# Altium PCB fMAX_MB.PcbDoc (part 8 of 13)
Units mil, origin at the board's own origin, x right, y up, seen from the top; angles counter-clockwise.
Board outline 9175 x 6300 mil, 14 copper layers (TopLayer, Gnd1, MidLayer1, Power1, MidLayer4, Power2, MidLayer2, Power3, MidLayer3, Gnd3, MidLayer6, Gnd2, MidLayer5, BottomLayer); 679 components, 896 nets, 4133 pads, 2341 vias.
Unrouted connection lines stored in the file: 4.
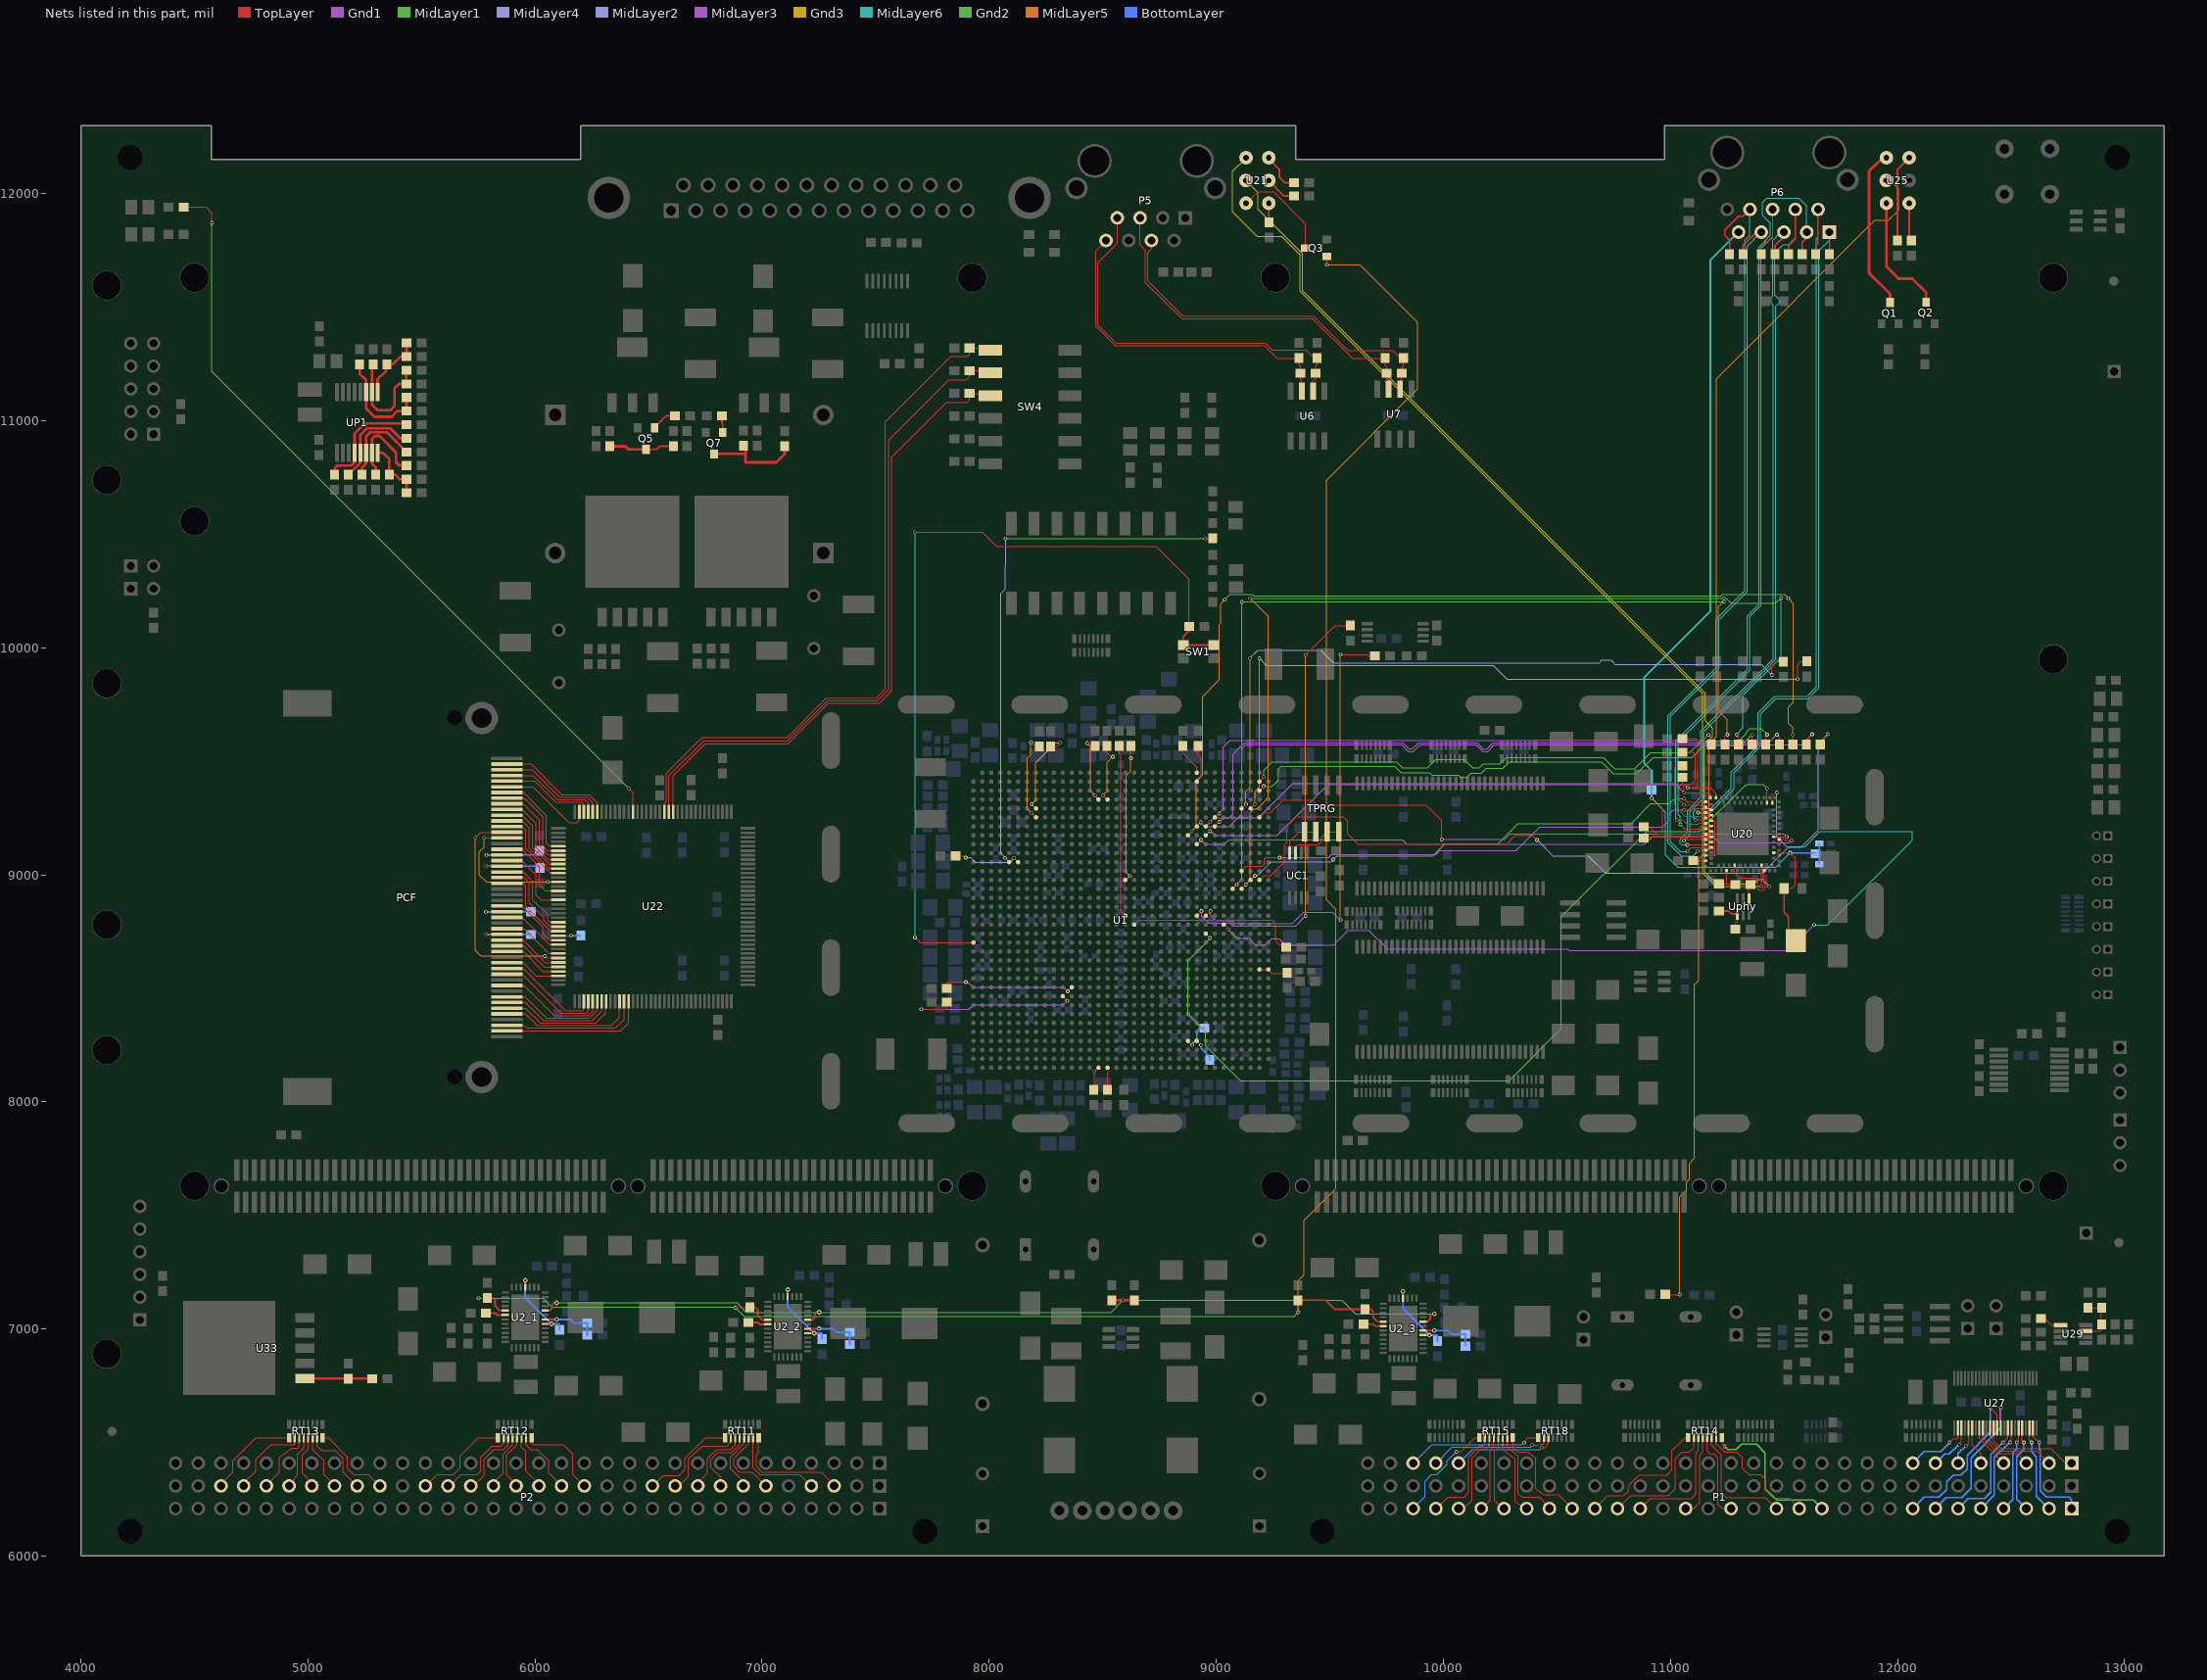
[diagram p20: the nets of this part, all layers, seen from the top]

## Via types
v1: diameter 16, hole 10, TopLayer to BottomLayer, tented both sides, 2192 vias
v2: diameter 36, hole 20, TopLayer to BottomLayer, tented both sides, 84 vias
v3: diameter 20, hole 10, TopLayer to BottomLayer, tented both sides, 61 vias
v4: diameter 160, hole 125, TopLayer to BottomLayer, tented both sides, 4 vias

## Nets (pads, with @x,y where several pads share a name; then routed paths per layer and width w, separated by ;. In a path a pad name is that pad's centre, name@x,y a point inside that pad or via, vN(x,y) a via of type N, cw(c..) or ccw(c..) an arc to the next point about the centre after c; other vN are vias at no path point) (continued)
NetP1_C28: P1.C28 RT18.11 | length 456.6
  TopLayer w5: v1(10433,6477.27) 10447,6477.27 10462.57,6496.84 RT18.11@10462.57,6521.21
  BottomLayer w5: P1.C28@10068,6409.27 10128,6469.27 10425,6469.27 v1(10433,6477.27)
NetP1_C29: P1.C29 RT18.10 | length 534.6
  TopLayer w5: v1(10392,6488.27) 10416,6488.27 10425.26,6493.53 10439.26,6493.53 10442.89,6497.16 RT18.10@10442.89,6521.21
  BottomLayer w5: P1.C29@9968,6409.27 10039,6480.27 10384,6480.27 v1(10392,6488.27)
NetP1_C30: P1.C30 RT18.9 | length 614.8
  TopLayer w5: v1(10356,6499.27) 10371,6521.27 RT18.9@10418.28,6521.21
  BottomLayer w5: P1.C30@9868,6409.27 9949,6490.27 10347,6490.27 v1@10355,6498.27
  BottomLayer w6: P1.C30@9868,6409.27 P1.C30@9885,6409.27
NetP2_B3: P2.B3 RT11.16 | length 510
  TopLayer w5: RT11.16@6984.92,6520.94 6984.92,6454.92 6975,6445 6975,6395 7000,6370 7260,6370 7317,6313 P2.B3@7317,6309
NetP2_B4: P2.B4 RT11.15 | length 431.4
  TopLayer w5: RT11.15@6960.32,6520.94 6960.32,6389.68 6991,6359 7166,6359 P2.B4@7216,6309 ; P2.B4@7206,6309 P2.B4@7217,6309
NetP2_B6: P2.B6 RT11.14 | length 339.8
  TopLayer w5: RT11.14@6940.63,6520.94 6940,6520.31 6940,6495 6875,6430 6875,6395 6900,6370 6955,6370 7016,6309 P2.B6@7017,6309 P2.B6@7017,6318
NetP2_B7: P2.B7 RT11.13 | length 260.8
  TopLayer w5: P2.B7@6917,6309 6917,6328 6860,6385 6860,6435 6920.94,6495.94 RT11.13@6920.94,6520.94
NetP2_B8: P2.B8 RT11.12 | length 316.5
  TopLayer w5: P2.B8@6817,6309 6817,6348 6775,6390 6775,6425 6805,6455 6864.44,6455 6901.26,6491.82 RT11.12@6901.26,6520.94
NetP2_B9: P2.B9 RT11.11 | length 313
  TopLayer w5: P2.B9@6720,6310 6720,6325 6760,6365 6760,6430 6800,6470 6860,6470 6881.57,6491.57 RT11.11@6881.57,6520.94
NetP2_B10: P2.B10 RT11.10 | length 387.8
  TopLayer w5: P2.B10@6617,6309 6634,6309 6675,6350 6675,6425 6735,6485 6845,6485 6861.89,6501.89 RT11.10@6861.89,6520.94
NetP2_B11: P2.B11 RT11.9 | length 437.4
  TopLayer w5: P2.B11@6517,6309 6519,6309 6565,6355 6635,6355 6660,6380 6660,6430 6750.94,6520.94 RT11.9@6837.28,6520.94
NetP2_B14: P2.B14 RT12.16 | length 397.7
  TopLayer w5: RT12.16@5984.92,6519.92 5984.92,6495.08 5990,6490 6126,6490 6166,6450 6166,6360 P2.B14@6217,6309 P2.B14@6206,6309
NetP2_B15: P2.B15 RT12.15 | length 295
  TopLayer w5: RT12.15@5960.32,6520.94 5960.32,6489.68 5980,6470 6010,6470 6060,6420 6060,6365 6116,6309 P2.B15@6117,6309
NetP2_B16: P2.B16 RT12.14 | length 242
  TopLayer w5: RT12.14@5940.63,6519.37 5940.63,6479.37 5960,6460 5960,6375 6017,6318 P2.B16@6017,6309
NetP2_B17: P2.B17 RT12.13 | length 248.4
  TopLayer w5: P2.B17@5917,6309 5917,6318 5875,6360 5875,6445 5920.94,6490.94 RT12.13@5920.94,6520.94
NetP2_B18: P2.B18 RT12.12 | length 246.8
  TopLayer w5: P2.B18@5817,6309 5817,6322 5860,6365 5860,6450 5901.26,6491.26 RT12.12@5901.26,6520.94
NetP2_B19: P2.B19 RT12.11 | length 310.6
  TopLayer w5: P2.B19@5717,6309 5729,6309 5775,6355 5775,6425 5820,6470 5860,6470 5881.57,6491.57 RT12.11@5881.57,6520.94
NetP2_B20: P2.B20 RT12.10 | length 381.9
  TopLayer w5: P2.B20@5617,6309 5624,6309 5675,6360 5745,6360 5760,6375 5760,6435 5810,6485 5850,6485 5861.89,6496.89 RT12.10@5861.89,6520.94
NetP2_B21: P2.B21 RT12.9 | length 434.7
  TopLayer w5: P2.B21@5517,6309 5519,6309 5570,6360 5640,6360 5670,6390 5670,6440 5750,6520 RT12.9@5835,6520
NetP2_B23: P2.B23 RT13.16 | length 369.2
  TopLayer w5: RT13.16@5064.92,6520.94 5089.06,6520.94 5175,6435 5175,6385 5200,6360 5265,6360 5316,6309 P2.B23@5317,6309
NetP2_B24: P2.B24 RT13.15 | length 320.9
  TopLayer w5: RT13.15@5040.32,6520.94 5040.32,6484.68 5060,6465 5120,6465 5155,6430 5155,6370 5216,6309 P2.B24@5217,6309
NetP2_B25: P2.B25 RT13.14 | length 251.9
  TopLayer w5: RT13.14@5020.63,6520.94 5020.63,6469.37 5070,6420 5070,6360 5117,6313 P2.B25@5117,6309
NetP2_B26: P2.B26 RT13.13 | length 240.1
  TopLayer w5: RT13.13@5000.94,6520.94 5000.94,6470.94 4975,6445 4975,6365 5017,6323 P2.B26@5017,6309
NetP2_B27: P2.B27 RT13.12 | length 236.2
  TopLayer w5: P2.B27@4917,6309 4919,6309 4955,6360 4955,6450 4981.26,6476.26 RT13.12@4981.26,6520.94
NetP2_B28: P2.B28 RT13.11 | length 291.7
  TopLayer w5: P2.B28@4817,6309 4817,6312 4875,6370 4875,6435 4930,6475 4955,6475 4961.57,6481.57 RT13.11@4961.57,6520.94
NetP2_B29: P2.B29 RT13.10 | length 366.6
  TopLayer w5: P2.B29@4717,6309 4717,6322 4770,6375 4770,6425 4835,6490 4940,6490 4941.89,6491.89 RT13.10@4941.89,6520.94
NetP2_B30: P2.B30 RT13.9 | length 422
  TopLayer w5: P2.B30@4617,6309 4617,6317 4670,6370 4670,6420 4770.94,6520.94 RT13.9@4917.28,6520.94
NetP5_4: P5.4 R8.1 R10.1 U7.6 | length 1594.8
  TopLayer w5: P5.4@8714.38,11793.16 8714.38,11756.38 8698,11740 8698,11615 8702,11611 8702.14,11611 8853.14,11460 9428.14,11460 9579.14,11309 9778,11309 9812.31,11274.69 R8.1@9824.38,11274.69 9824.38,11239.38 9817.84,11232.84 9817.84,11186.84 9809.38,11178.38 U7.6@9809.38,11138.39
NetP5_5: P5.5 R9.1 R10.2 U7.7 | length 1630.3
  TopLayer w5: P5.5@8664.38,11893.16 8664.38,11775.62 8688,11748 8688,11607 8849,11450 9424,11450 9599.31,11274.69 R9.1@9744.38,11274.69 9744.38,11242.62 9750.91,11236.09 R10.2@9750.91,11208.16 9751,11208.07 9751,11188 9759.38,11179.62 U7.7@9759.38,11138.39
NetP5_7: P5.7 R5.1 R7.1 U6.6 | length 1686
  TopLayer w5: P5.7@8564.38,11893.16 8564.38,11781.38 8479,11696 8479,11420.14 8558.14,11341 9216.14,11341 9246.14,11311 9396,11311 9432.31,11274.69 R5.1@9444.38,11274.69 9444.38,11247.38 9437.84,11240.84 9437.84,11184.84 9426.47,11173.47 U6.6@9426.47,11130.08
NetP5_8: P5.8 R6.1 R7.2 U6.7 | length 1499.5
  TopLayer w5: P5.8@8514.38,11793.16 8469,11747.78 8469,11416 8554,11331 9212,11331 9268.31,11274.69 R6.1@9364.38,11274.69 9364.38,11246.62 9370.91,11240.09 9370.91,11182.09 9376.47,11176.53 U6.7@9376.47,11130.08
NetPCF_2: PCF.2 U22.104 | length 478
  TopLayer w5: PCF.2@5875.43,9462.5 5987.5,9462.5 6108,9342 6228,9342 6254.25,9315.75 U22.104@6254.25,9277.32
NetPCF_3: PCF.3 U22.106 | length 414.7
  TopLayer w5: PCF.3@5875.43,9412.5 5997.5,9412.5 6090,9320 6205,9320 6214.88,9310.12 U22.106@6214.88,9277.32
NetPCF_4: PCF.4 U22.113 | length 395.6
  TopLayer w5: PCF.4@5875.43,9362.5 5947.5,9362.5 6050,9260 6050,9140 6064.25,9125.75 U22.113@6102.68,9125.75
NetPCF_5: PCF.5 U22.115 | length 388.3
  TopLayer w5: PCF.5@5875.43,9312.5 5947.5,9312.5 6020,9240 6020,9125 6058.62,9086.38 U22.115@6102.68,9086.38
NetPCF_6: PCF.6 U22.117 | length 372.2
  TopLayer w5: PCF.6@5875.43,9262.5 5942.5,9262.5 5990,9215 5990,9120 6062.99,9047.01 U22.117@6102.68,9047.01
NetPCF_7: PCF.7 U22.119 | length 359
  TopLayer w5: PCF.7@5875.43,9212.5 5942.5,9212.5 5960,9195 5960,9115 6067.36,9007.64 U22.119@6102.68,9007.64
NetPCF_8: PCF.8 U22.121 | length 632.3
  TopLayer w5: v1(5775.5,9162.5) PCF.8@5875.43,9162.5 ; v1(6055,8968.27) U22.121@6102.68,8968.27
  MidLayer5 w5: v1(5775.5,9162.5) 5775.5,9122.5 5755,9102 5755,8999 5785.73,8968.27 v1(6055,8968.27)
NetPCF_9: PCF.9 U22.123 | length 350.2
  TopLayer w5: PCF.9@5875.43,9112.5 5942.5,9112.5 6020,9035 6020,8955 6046.1,8928.9 U22.123@6102.68,8928.9
NetPCF_10: PCF.10 U22.125 | length 351.6
  TopLayer w5: PCF.10@5875.43,9062.5 5942.5,9062.5 6005,9000 6005,8910 6025.47,8889.53 U22.125@6102.68,8889.53
NetPCF_11: PCF.11 U22.130 | length 380.5
  TopLayer w5: PCF.11@5875.43,9012.5 5947.5,9012.5 5990,8970 5990,8890 6056,8824 6056,8799 6063.9,8791.1 U22.130@6102.68,8791.1
NetPCF_12: PCF.12 U22.132 | length 366.9
  TopLayer w5: PCF.12@5875.43,8962.5 5947.5,8962.5 5960,8950 5960,8860.56 6068.82,8751.73 U22.132@6102.68,8751.73
NetPCF_14: PCF.14 U22.134 | length 307
  TopLayer w5: PCF.14@5875.43,8862.5 5942.5,8862.5 6035,8770 6035,8740 6062.64,8712.36 U22.134@6102.68,8712.36
NetPCF_15: PCF.15 U22.135 | length 276.9
  TopLayer w5: PCF.15@5875.43,8812.5 5942.5,8812.5 6062.32,8692.68 U22.135@6102.68,8692.68
NetPCF_16: PCF.16 U22.137 | length 272.5
  TopLayer w5: PCF.16@5875.43,8762.5 5952.5,8762.5 6061.69,8653.31 U22.137@6102.68,8653.31
NetPCF_17: PCF.17 U22.139 | length 268.1
  TopLayer w5: PCF.17@5875.43,8712.5 5947.5,8712.5 6046.06,8613.94 U22.139@6102.68,8613.94
NetPCF_18: PCF.18 U22.141 | length 263.7
  TopLayer w5: PCF.18@5875.43,8662.5 5947.5,8662.5 6035.43,8574.57 U22.141@6102.68,8574.57
NetPCF_19: PCF.19 U22.142 | length 251.1
  TopLayer w5: PCF.19@5875.43,8612.5 5947.5,8612.5 6005.12,8554.88 U22.142@6102.68,8554.88
NetPCF_20: PCF.20 U22.4 | length 476.8
  TopLayer w5: PCF.20@5875.43,8562.5 5942.5,8562.5 6114,8391 6226,8391 6234.57,8399.57 U22.4@6234.57,8442.68
NetPCF_21: PCF.21 U22.5 | length 484.8
  TopLayer w5: PCF.21@5875.43,8512.5 5952.5,8512.5 6085,8380 6234.44,8380 6254.25,8399.81 U22.5@6254.25,8442.68
NetPCF_22: PCF.22 U22.6 | length 490.4
  TopLayer w5: PCF.22@5875.43,8462.5 5957.5,8462.5 6051,8369 6239,8369 6273.94,8403.94 U22.6@6273.94,8442.68
NetPCF_23: PCF.23 U22.8 | length 533.6
  TopLayer w5: PCF.23@5875.43,8412.5 5957.5,8412.5 6023,8347 6267,8347 6310,8390 6310,8439.37 U22.8@6313.31,8442.68
NetPCF_25: PCF.25 U22.13 | length 646.4
  TopLayer w5: PCF.25@5875.43,8312.5 6377.5,8312.5 6411.73,8346.73 U22.13@6411.73,8442.68
NetPCF_26: PCF.26 U22.103 | length 508.3
  TopLayer w5: PCF.26@5875.43,9487.5 5982.5,9487.5 6117,9353 6237,9353 6273.94,9316.06 U22.103@6273.94,9277.32
NetPCF_27: PCF.27 U22.105 | length 447.8
  TopLayer w5: PCF.27@5875.43,9437.5 5992.5,9437.5 6099,9331 6219,9331 6234.57,9315.43 U22.105@6234.57,9277.32
NetPCF_28: PCF.28 U22.107 | length 426.4
  TopLayer w5: PCF.28@5875.43,9387.5 5992.5,9387.5 ; 5991.5,9387.5 6149,9230 ; 6150,9230 6185,9230 6195.2,9240.2 U22.107@6195.2,9277.32
NetPCF_29: PCF.29 U22.114 | length 398.9
  TopLayer w5: PCF.29@5875.43,9337.5 5952.5,9337.5 6035,9255 6035,9125.56 6054.49,9106.06 U22.114@6102.68,9106.06
NetPCF_30: PCF.30 U22.116 | length 379.9
  TopLayer w5: PCF.30@5875.43,9287.5 5942.5,9287.5 6005,9225 6005,9120.56 6058.86,9066.69 U22.116@6102.68,9066.69
NetPCF_31: PCF.31 U22.118 | length 366.7
  TopLayer w5: PCF.31@5875.43,9237.5 5942.5,9237.5 5975,9205 5975,9115.56 6063.23,9027.32 U22.118@6102.68,9027.32
NetPCF_32: PCF.32 U22.138 | length 1024.7
  TopLayer w5: v1(5737,9163) 5761.5,9187.5 PCF.32@5875.43,9187.5 ; v1(6044,8642) 6052.38,8633.62 U22.138@6102.68,8633.62
  MidLayer5 w5: v1(5737,9163) 5737,8666 5761,8642 v1(6044,8642)
NetPCF_34: PCF.34 R86.1 | length 332.3
  TopLayer w5: v1(5785.5,9087.5) PCF.34@5875.43,9087.5
  BottomLayer w6: v1(5785.5,9087.5) 6000.96,9087.5 R86.1@6020,9106.54
NetPCF_35: PCF.35 R85.1 | length 331.3
  TopLayer w5: v1(5784.5,9037.5) PCF.35@5875.43,9037.5
  BottomLayer w6: v1(5784.5,9037.5) 6014.96,9037.5 R85.1@6022,9030.46
NetPCF_36: PCF.36 U22.131 | length 376.8
  TopLayer w5: PCF.36@5875.43,8987.5 5952.5,8987.5 5975,8965 5975,8875 6039,8811 6039,8798.42 6066,8771.42 U22.131@6102.68,8771.42
NetPCF_39: PCF.39 R90.2 | length 291.2
  TopLayer w5: v1(5783.5,8837.5) PCF.39@5875.43,8837.5
  BottomLayer w6: v1(5783.5,8837.5) 5982.03,8837.5 R90.2@5982.53,8837
NetPCF_41: PCF.41 R89.2 | length 289.2
  TopLayer w5: v1(5784.5,8737.5) PCF.41@5875.43,8737.5
  BottomLayer w6: v1(5784.5,8737.5) 5982.03,8737.5 R89.2@5982.53,8737
NetPCF_42: PCF.42 U22.140 | length 265.9
  TopLayer w5: PCF.42@5875.43,8687.5 5947.5,8687.5 6040.75,8594.25 U22.140@6102.68,8594.25
NetPCF_44: PCF.44 U22.3 | length 455.3
  TopLayer w5: PCF.44@5875.43,8587.5 5947.5,8587.5 6133,8402 6212,8402 6214.88,8404.88 U22.3@6214.88,8442.68
NetPCF_47: PCF.47 U22.7 | length 512
  TopLayer w5: PCF.47@5875.43,8437.5 5957.5,8437.5 6037,8358 6253,8358 6293.62,8398.62 U22.7@6293.62,8442.68
NetPCF_48: PCF.48 U22.11 | length 603.6
  TopLayer w5: PCF.48@5875.43,8387.5 5957.5,8387.5 6009,8336 6336,8336 6372.36,8372.36 U22.11@6372.36,8442.68
NetPCF_49: PCF.49 U22.12 | length 617.8
  TopLayer w5: PCF.49@5875.43,8337.5 5952.5,8337.5 5965,8325 6355,8325 6392.05,8362.05 U22.12@6392.05,8442.68
NetQ1_3: Q1.3 U25.K3 | length 717
  TopLayer w12: U25.K3@11951.18,12157.64 11934.18,12157.64 11875,12098.46 11875,11650 11967,11558 Q1.3@11967,11520.24
NetQ2_3: Q2.3 U25.K1 | length 544
  TopLayer w12: U25.K1@11951.18,11957.64 11951.18,11678.82 12005,11625 12065,11625 12126,11564 Q2.3@12126,11521.24
NetQ3_1: Q3.1 R25_1.1 R25_2.1 R25_3.1 R78.1 U2_1.5 U2_2.5 U2_3.5 | length 9616.9
  TopLayer w5: v1(5750.98,7134.84) R25_1.1@5788.31,7134.84 ; v1(6882.87,7093.5) R25_2.1@6944.21,7093.5 ; v1(9360.24,7073.82) R78.1@9360.24,7126.3 ; v1(9487.2,11686.02) Q3.1@9487.24,11722.6
  TopLayer w8: R25_1.1@5790,7136.54 5813.46,7136.54 5825,7125 5825,7100 5843.74,7081.26 U2_1.5@5870,7081.26 ; R25_2.1@6946.17,7095.46 6969.64,7095.46 6981.17,7083.93 6981.17,7058.93 6999.91,7040.19 U2_2.5@7026.17,7040.19 ; R78.1@9360,7126.54 9481.46,7126.54 9520.54,7087.46 9679.29,7087.46 9690.83,7075.93 9690.83,7050.93 9709.57,7032.19 U2_3.5@9735.83,7032.19
  MidLayer1 w5: v1(5750.98,7134.84) 6035.43,7134.84 6072.83,7097.44 6878.94,7097.44 6920.28,7056.1 9342.52,7056.1 v1(9360.24,7073.82)
  MidLayer5 w5: v1(9360.24,7073.82) 9360.24,7212.6 9386.81,7239.17 9386.81,7478.35 9526.57,7618.11 9526.57,8848.43 9485.24,8889.76 9485.24,10738.19 9886.81,11139.76 9886.81,11432.09 9632.87,11686.02 v1(9487.2,11686.02)
NetQ3_3: Q3.3 U21.K1 | length 446.6
  TopLayer w5: U21.K1@9131.18,11957.64 9134.64,11957.64 9184,12007 9252,12007 9392.76,11866.24 Q3.3@9392.76,11760
NetQ5_1: Q5.1 R158.2 | length 112.4
  TopLayer w8: Q5.1@6526.53,10968.01 6526.53,10970.4 6576.89,11020.76 R158.2@6615.66,11020.76
NetQ5_3: Q5.3 R156.1 R157.1 | length 291.4
  TopLayer w8: Q5.3@6489.13,10873.52 6534.65,10873.52 6548.43,10887.3 R156.1@6609.13,10887.3
  TopLayer w12: R157.1@6329.13,10887.3 6398.7,10887.3 6412.48,10873.52 Q5.3@6489.13,10873.52
NetQ7_1: Q7.1 R162.2 | length 74.4
  TopLayer w8: R162.2@6822.59,11020.76 6822.59,10992.41 6826.53,10988.47 Q7.1@6826.53,10948.01
NetQ7_3: Q7.3 R160.1 R161.1 | length 435.6
  TopLayer w12: Q7.3@6789.13,10853.52 6926.65,10853.52 ; R161.1@6918.06,10888.47 6927.06,10879.47 6927.06,10815.94 7062.06,10815.94 7099.06,10852.94 R160.1@7099.06,10887.47
NetR2_1: R2.1 U25.K2 | length 5440.1
  TopLayer w5: R2.1@10977.4,7152.88 10978.71,7151.57 v1(11040.35,7151.57)
  MidLayer5 w5: v1(11040.35,7151.57) 11040.35,7581.59 11071.85,7613.09 11071.85,7647.02 11084.65,7659.82 11084.65,7729.59 11106.3,7751.24 11106.3,8515.75 11125.98,8535.43 11125.98,9069.88 11171.26,9115.16 11171.26,9578.74 ; 11170.28,9577.76 11201.77,9609.25 11201.77,11184.06 11899.61,11881.89 11960.63,11881.89 12004.92,11926.18 12004.92,12020.08 11965,12060 U25.K2@11950,12060
NetR18_1: R18.1 SW1.2 U1.AP20 | length 3780.7
  TopLayer w5: v1(7672.24,10508.86) 7970.47,10508.86 8032.48,10446.85 8736.22,10446.85 8880.54,10302.53 R18.1@8880.54,10093 ; v1(7673.23,8724.41) 7696.06,8701.57 U1.AP20@7930.39,8701.57 U1.AP20@7930.39,8701.39
  TopLayer w8: R18.1@8880.54,10093 8880.54,10074.54 8854.14,10048.14 SW1.2@8854.14,10012.06 SW1.2@8988,10012.06
  MidLayer6 w5: v1(7672.24,10508.86) 7673.23,10507.87 v1(7673.23,8724.41)
NetR19_2: R19.2 U1.H17 | length 1990.2
  TopLayer w5: U1.H17@8954.02,8819.68 8954.68,8819.68 v1(8975,8840) ; v1(9547,9969) 9664.5,9969 9669.5,9964 R19.2@9697.54,9964
  MidLayer3 w5: v1(8975,8840) 8975,8821.26 8998.7,8797.56 9071.54,8797.56 9083.5,8785.59 9334.21,8785.59 9382.28,8833.66 ; 9382.87,8834.65 9512.35,8834.65 v1(9547,8800)
  MidLayer5 w5: v1(9547,8800) v1(9547,9969)
NetR20_2: R20.2 U1.J17 | length 1945
  TopLayer w5: U1.J17@8914.68,8819.68 v1(8935,8840) ; v1(9393,9968) 9522.46,10097.46 R20.2@9591,10097.46
  MidLayer3 w5: v1(8935,8840) 8935,8817.95 8965.39,8787.56 9066.77,8787.56 9078.74,8775.59 9349.59,8775.59 v1(9393,8819)
  MidLayer5 w5: v1(9393,8819) v1(9393,9968)
NetR26_1: R26.1 U1.AC25 | length 598.7
  TopLayer w5: R26.1@7813.46,8500 7813.46,8522.13 7818.9,8527.56 v1(7897.64,8527.56) ; v1(8346,8487) 8363.46,8504.46 U1.AC25@8363.46,8504.72
  MidLayer3 w5: v1(7897.64,8527.56) 7907.48,8527.56 7929,8506 8327,8506 v1(8346,8487)
NetR27_2: R27.2 U1.AG6 | length 396
  TopLayer w5: v1(8184,9583) 8201.46,9565.54 R27.2@8221,9565.54 ; v1(8188,9271) 8205.98,9253.02 U1.AG6@8205.98,9252.76
  MidLayer5 w5: v1(8184,9583) 8184,9529 8169,9514 8169,9290 v1(8188,9271)
NetR28_1: R28.1 U1.AD26 | length 829.9
  TopLayer w5: v1(7701,8408) 7810,8408 7815,8413 R28.1@7815,8440 ; U1.AD26@8324.09,8465.35 8324.09,8465.09 v1(8344,8445)
  MidLayer3 w5: v1(7701,8408) 7911,8408 7930,8427 8326,8427 v1(8344,8445)
NetR29_2: R29.2 U1.AG5 | length 407.1
  TopLayer w5: v1(8187,9311) 8205.87,9292.13 U1.AG5@8205.98,9292.13 ; R29.2@8271,9565.54 8296.54,9565.54 v1(8312,9581)
  MidLayer5 w5: v1(8187,9311) 8205,9329 8205,9493 8293,9581 v1(8312,9581)
NetR30_1: R30.1 U1.Y34 | length 106
  TopLayer w5: R30.1@8460,8053.46 8463,8056.46 v1(8463,8132) 8481.39,8150.39 U1.Y34@8481.57,8150.39
NetR31_1: R31.1 U1.W34 | length 95.5
  TopLayer w5: R31.1@8520,8055 8521,8062 8521,8088 8521,8098 8521,8123 8520.94,8149.94 U1.W34@8520.94,8150.39
NetR32_2: R32.2 U1.Y4 | length 310.6
  TopLayer w5: v1(8431,9580) 8443.46,9567.54 R32.2@8467,9567.54 ; v1(8465,9350) 8481.57,9333.43 U1.Y4@8481.57,9331.5
  MidLayer5 w5: v1(8431,9580) 8446,9565 8446,9369 v1(8465,9350)
NetR33_2: R33.2 U1.W4 | length 279.2
  TopLayer w5: v1(8500,9350) 8518.5,9331.5 U1.W4@8520.94,9331.5 ; R33.2@8518,9567.54 8518,9539 8537,9520 v1(8544,9520)
  MidLayer5 w5: v1(8500,9350) 8520,9370 8520,9496 v1(8544,9520)
NetR34_1: R34.1 U1.J7 | length 3166.1
  TopLayer w5: U1.J7@8914.65,9213.39 8914.65,9213.65 v1(8932,9231) ; R34.1@11599,9573.46 11599,9594 v1(11624,9619)
  MidLayer3 w5: v1(8932,9231) 8932,9230.4 8949.8,9212.6 9056.1,9212.6 9112.2,9268.7 9112.2,9556.1 9128.31,9572.2 9817.2,9572.2 9847.08,9542.32 9868.58,9542.32 9898.46,9572.2 10143.97,9572.2 10172.87,9543.31 10194.88,9543.31 10223.78,9572.2 11577.2,9572.2 v1(11624,9619)
NetR35_1: R35.1 U1.K8 | length 4280.8
  TopLayer w5: U1.K8@8876,9174 v1(8893,9191) ; R35.1@11539,9573.46 v1(11539,9618)
  MidLayer1 w5: v1(9036.42,10210.63) 9060.04,10234.25 9157.48,10234.25 9164.21,10227.52 11221.61,10227.52 11229.33,10235.24 11502.95,10235.24 11518.7,10219.49 v1(11518.7,10217.52)
  MidLayer5 w5: v1(8893,9191) 8893,9192.21 8912.4,9211.61 8912.4,9414.21 8939.96,9441.77 8939.96,9784.71 9013.78,9858.53 9013.78,10102.1 9019.68,10108 9019.68,10193.9 v1(9036.42,10210.63) ; v1(11518.7,10217.52) 11541.34,10194.88 11541.34,9760.83 11518.7,9738.19 11518.7,9668.31 11539,9648.01 v1(11539,9618)
NetR36_1: R36.1 U1.H7 | length 2932.6
  TopLayer w5: U1.H7@8954.02,9213.39 8954.39,9213.39 v1(8973,9232) ; v1(11469,9617) 11480,9606 R36.1@11480,9573.46
  MidLayer3 w5: v1(8973,9232) 8973,9233.83 8991.14,9251.97 9056.1,9251.97 9072.83,9268.7 9072.83,9531.5 9123.54,9582.2 9821.34,9582.2 9850.39,9553.15 9862.2,9553.15 9891.26,9582.2 10148.11,9582.2 10176.18,9554.13 10190.94,9554.13 10219.02,9582.2 11434.2,9582.2 v1(11469,9617)
NetR37_1: R37.1 U1.B2 | length 2505.2
  TopLayer w5: U1.B2@9190.24,9410.24 v1(9210,9430) ; R37.1@11420,9573.46 11420,9611 v1(11426,9617)
  MidLayer1 w5: v1(9210,9430) 9210,9460.62 9246.38,9497 9793.86,9497 9819.41,9471.46 9930.12,9471.46 9966.05,9507.39 10092.28,9507.39 10128.21,9471.46 10158.46,9471.46 10176.48,9489.47 10250.29,9489.47 10278.22,9517.39 10703.7,9517.39 10754.56,9466.54 10843.5,9466.54 10914.36,9537.39 11084.63,9537.39 11137.24,9590 11301.61,9590 11318.9,9607.28 11319.52,9607.28 11334.67,9622.43 11334.67,9628.96 11350.39,9644.68 11398.32,9644.68 v1(11426,9617)
NetR38_1: R38.1 U1.E14 | length 4065.2
  TopLayer w5: U1.E14@9072.13,8937.8 9072.13,8938.13 v1(9090,8956) ; R38.1@11240,9573.46 11240,9606 v1(11251,9617)
  MidLayer1 w5: v1(9112.2,10201.77) 11233.27,10201.77 v1(11235.24,10203.74)
  MidLayer5 w5: v1(9090,8956) 9090,8957.13 9112.2,8979.33 v1(9112.2,10201.77) ; v1(11235.24,10203.74) 11211.77,10180.28 11211.77,9721.3 11251,9682.07 v1(11251,9617)
NetR39_1: R39.1 U1.G6 | length 2531.2
  TopLayer w5: U1.G6@8993.39,9252.76 8993.76,9252.76 v1@9012,9271 ; v1(11167,9616) 11180,9603 R39.1@11180,9573.46